# Altium PCB wifi-module.PcbDoc (part 1 of 2) (continued)
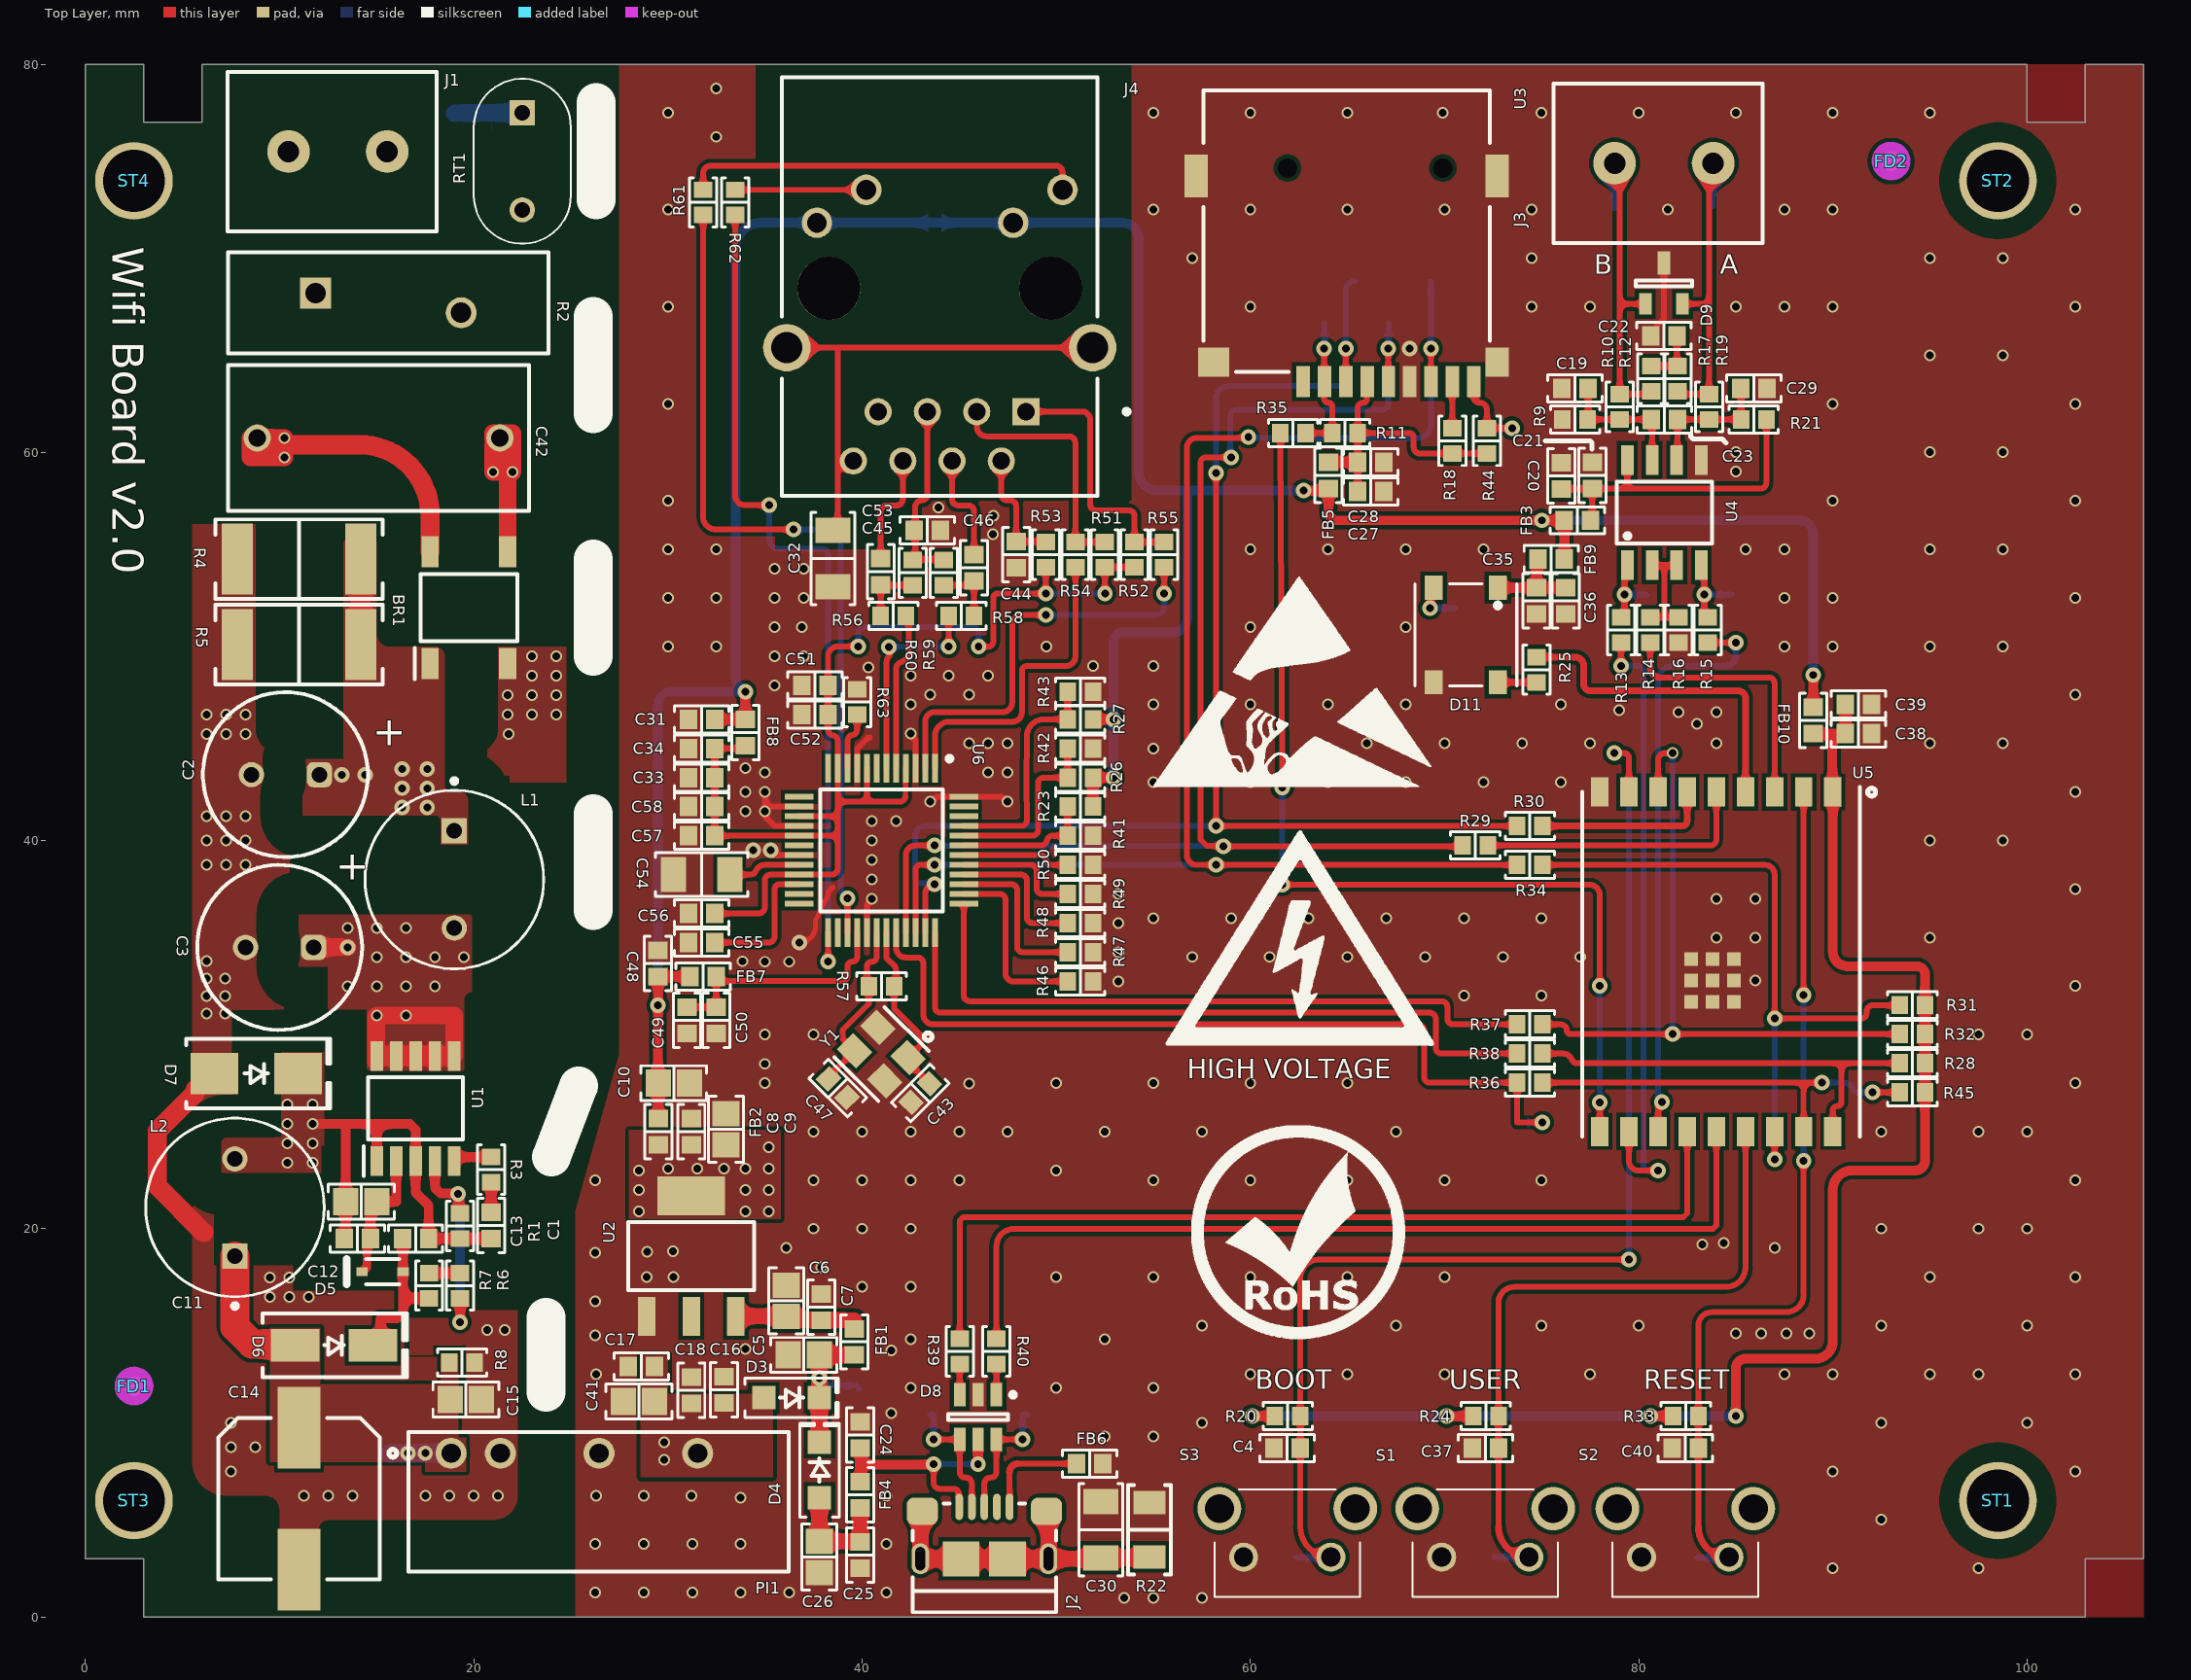
[diagram p0: Top Layer view]
## Part data (continued)
C42: library part CMP-001-03429-1, "WCAP-FTX2 Film Capacitor, THT, L15 x W7 x H12.5mm, 220nF, 275V", Capacitance Tolerance=+/-10%, Insulation Resistance=30GOhm, manufacturer="Wurth Elektronik", Operating Temperature Max=105°C, Operating Temperature Min=-40°C, Rate of Voltage Rise=240V/us, Rated Voltage (AC)=275V, Category="Film Capacitors", componentlink1description="Website Link", componentlink1url=https://www.we-online.com/redexpert/article/890324024002?ad, componentlink2description="Datasheet Link", componentlink2url=https://www.we-online.com/redexpert/spec/890324024002?ad, Dissipation Factor @1kHz=0.1%, Dissipation Factor @10kHz=0.2%, Dissipation Factor @100kHz=2%, Height=12.5mm, Length=15mm, Manufacturer Part Number=890324024002, Match Code=WCAP-FTX2, Mount="Through Hole", packaging=Carton, Pitch=12.5mm, Simulation File=Simulations\WCAP-FTX2.ckt, Simulation ModelName=890324024002_220nF, Technical Reference=MX2P125224K275ASPB15000, Width=7mm
C43 C47: library part CMP-214-005657-1, "CAP CER 0603 18PF 50V ULTRA STAB", Capacitance="18 pF", Device Package="0603 (1608 Metric)", manufacturer=KEMET, Operating Temperature="-55°C ~ 150°C", Ratings=AEC-Q200, Temperature Coefficient=X8R, Tolerance=±10%, Voltage - Rated=50V, Applications=Automotive, componentlink1description=Datasheet, componentlink1url=https://api.kemet.com/component-edge/download/datasheet/C0603C180K5HACAUTO.pdf, componentlink2description="DigiKey Link", componentlink2url=https://www.digikey.com/en/products/detail/kemet/C0603C180K5HACAUTO/7957267, Features="Low ESL, High Temperature", lastupdated="9/4/2023 7:08:19 PM", Lifecycle Status=Active, Minimum Order=1, Mounting Type="Surface Mount, MLCC", Package / Case="0603 (1608 Metric)", packaging=TapeAndReel, Part Number=C0603C180K5HACAUTO, Part Status=Active, partid=35316, price=0.01, series="SMD Auto X8R HT150C", Size / Dimension="0.063\" L x 0.031\" W (1.60mm x 0.80mm)", Thickness (Max)="0.034\" (0.87mm)"
C44: library part CMP-214-009207-1, "CAP CER 0.022UF 50V X7R 0603", Capacitance="0.022 µF", Device Package="0603 (1608 Metric)", manufacturer=KEMET, Operating Temperature="-55°C ~ 125°C", Ratings=AEC-Q200, Temperature Coefficient=X7R, Tolerance=±20%, Voltage - Rated=50V, Applications="Automotive, Bypass, Decoupling", componentlink1description=Datasheet, componentlink1url=https://connect.kemet.com:7667/gateway/IntelliData-ComponentDocumentation/1.0/download/datasheet/C0603C223M5RACAUTO, componentlink2description="DigiKey Link", componentlink2url=https://www.digikey.com/en/products/detail/kemet/C0603C223M5RACAUTO/11676307, lastupdated="9/4/2023 7:08:04 PM", Lifecycle Status=Active, Minimum Order=1, Mounting Type="Surface Mount, MLCC", Package / Case="0603 (1608 Metric)", packaging=TapeAndReel, Part Number=C0603C223M5RACAUTO, Part Status=Active, partid=48455, price=0.01, series="SMD Auto X7R", Size / Dimension="0.063\" L x 0.031\" W (1.60mm x 0.80mm)", Thickness (Max)="0.034\" (0.87mm)"
C45 C46: library part CMP-214-005416-1, "CAP CER 6800PF 50V X7R 0603", Capacitance="6800 pF", Device Package="0603 (1608 Metric)", manufacturer=KEMET, Operating Temperature="-55°C ~ 125°C", Temperature Coefficient=X7R, Tolerance=±10%, Voltage - Rated=50V, Applications="Bypass, Decoupling", componentlink1description=Datasheet, componentlink1url=https://api.kemet.com/component-edge/download/datasheet/C0603C682K5RAC7411.pdf, componentlink2description="DigiKey Link", componentlink2url=https://www.digikey.com/en/products/detail/kemet/C0603C682K5RAC7411/12701123, lastupdated="9/4/2023 7:08:18 PM", Lifecycle Status=Active, Minimum Order=1, Mounting Type="Surface Mount, MLCC", Package / Case="0603 (1608 Metric)", packaging=TapeAndReel, Part Number=C0603C682K5RAC7411, Part Status=Active, partid=35033, price=0.01, series="SMD Comm X7R", Size / Dimension="0.063\" L x 0.031\" W (1.60mm x 0.80mm)", Thickness (Max)="0.034\" (0.87mm)"
C54: library part CMP-216-004449-1, "CAP CER 4.7UF 50V X7R 1206", Capacitance="4.7 µF", Device Package="1206 (3216 Metric)", manufacturer="Samsung Electro-Mechanics", Operating Temperature="-55°C ~ 125°C", Temperature Coefficient=X7R, Tolerance=±10%, Voltage - Rated=50V, Applications="General Purpose", componentlink1description=Datasheet, componentlink1url=http://www.samsungsem.com/kr/support/product-search/mlcc/CL31B475KBHNNNE.jsp, componentlink2description="DigiKey Link", componentlink2url=https://www.digikey.com/en/products/detail/samsung-electro-mechanics/CL31B475KBHNNNE/3888447, lastupdated="9/4/2023 7:14:47 PM", Lifecycle Status=Active, Minimum Order=1, Mounting Type="Surface Mount, MLCC", Package / Case="1206 (3216 Metric)", packaging=TapeAndReel, Part Number=CL31B475KBHNNNE, Part Status=Active, partid=40975, price=0.05, series=CL, Size / Dimension="0.126\" L x 0.063\" W (3.20mm x 1.60mm)", Thickness (Max)="0.071\" (1.80mm)"
D3 D4: library part CMP-254-002514-1, "SCHOTTKY 40V SOD-123FL", Capacitance @ Vr, F="110pF @ 4V, 1MHz", Current - Average Rectified (Io)=1A, Current - Reverse Leakage @ Vr="100 µA @ 40 V", manufacturer="SMC Diode Solutions", Operating Temperature - Junction="-55°C ~ 150°C", Package / Case=SOD-123F, Supplier Device Package=SOD-123FL, Voltage - DC Reverse (Vr) (Max)="40 V", Voltage - Forward (Vf) (Max) @ If="500 mV @ 1 A", componentlink1description=Datasheet, componentlink1url=http://www.smc-diodes.com/propdf/DSS12U%20THRU%20DSS125U%20N1873%20REV.A.pdf, componentlink2description="DigiKey Link", componentlink2url=https://www.digikey.com/en/products/detail/smc-diode-solutions/DSS14UTR/8341859, Diode Type=Schottky, lastupdated="9/4/2023 8:16:26 PM", Lifecycle Status=Active, Minimum Order=1, Mounting Type="Surface Mount", packaging=TapeAndReel, Part Number=DSS14UTR, Part Status=Active, partid=2515, price=0.03, series=-, Speed="Fast Recovery =< 500ns, > 200mA (Io)"
D5: library part CMP-004-00002-2, "Fast Switching Diode, 75 V, 0.3 A, -65 to 150 degC, 2-Pin SOD323, RoHS, Tape and Reel", Case/Package=SOD, Forward Current=300mA, Forward Voltage=1.25V, manufacturer="Diodes Inc", Max Operating Temperature=150°C, Max Surge Current=2A, Min Operating Temperature=-65°C, Package Description="2-Pin Small Outline Diode, Body 1.7 x 1.3 mm", Package Quantity=3000, Package Reference=SOD323-2, Peak Reverse Current=1uA, Datasheet URL=http://www.diodes.com/datasheets/ds30097.pdf, Datasheet Version="Rev. 25-2, 03/2016", Elements=1, Manufacturer URL=http://www.diodes.com/, Mounting Technology=SM, packaging=TapeandReel, Pins=2, Recovery Time=4ns, RoHS Compliant=True
D6: library part CMP-254-000890-1, "DIODE GEN PURP 1KV 1A DO214AC", Capacitance @ Vr, F="8pF @ 4V, 1MHz", Current - Average Rectified (Io)=1A, Current - Reverse Leakage @ Vr="5 µA @ 1000 V", manufacturer="Micro Commercial Co", Operating Temperature - Junction="-55°C ~ 150°C", Package / Case="DO-214AC, SMA", Supplier Device Package="DO-214AC (SMA)", Voltage - DC Reverse (Vr) (Max)="1000 V", Voltage - Forward (Vf) (Max) @ If="1.5 V @ 1 A", componentlink1description=Datasheet, componentlink1url=https://www.mccsemi.com/pdf/Products/US1ML(DO-214AC)-A.pdf, componentlink2description="DigiKey Link", componentlink2url=https://www.digikey.com/en/products/detail/micro-commercial-co/US1ML-TP/7681879, Diode Type=Standard, lastupdated="9/4/2023 8:16:02 PM", Lifecycle Status=Active, Minimum Order=1, Mounting Type="Surface Mount", packaging=TapeAndReel, Part Number=US1ML-TP, Part Status=Active, partid=891, price=0.04, Reverse Recovery Time (trr)="120 ns", series=-, Speed="Fast Recovery =< 500ns, > 200mA (Io)"
D7: library part CMP-254-000169-1, "DIODE GEN PURP 600V 3A SMB", Capacitance @ Vr, F="40pF @ 4V, 1MHz", Current - Average Rectified (Io)=3A, Current - Reverse Leakage @ Vr="5µA @ 600V", manufacturer="Bourns Inc.", Operating Temperature - Junction="-65°C ~ 175°C", Package / Case="DO-214AA, SMB", Supplier Device Package="DO-214AA (SMB)", Voltage - DC Reverse (Vr) (Max)=600V, Voltage - Forward (Vf) (Max) @ If="1V @ 1A", componentlink1description=Datasheet, componentlink1url=https://www.bourns.com/docs/Product-Datasheets/CD214B-R350_R31000.pdf, componentlink2description="DigiKey Link", componentlink2url=http://digikey.com/product-detail/en/bourns-inc/CD214B-R3600/CD214B-R3600CT-ND/5774992, Diode Type=Standard, lastupdated="9/4/2023 8:15:30 PM", Lifecycle Status=Active, Minimum Order=1, Mounting Type="Surface Mount", packaging=TapeAndReel, Part Number=CD214B-R3600, Part Status=Active, partid=170, price=0.13, series=-, Speed="Standard Recovery >500ns, > 200mA (Io)"
D8: library part CMP-00104-4, "Trans Voltage Suppressor Diode, 5V V(RWM), Unidirectional, 1 Element, Silicon"
D9: library part CMP-557-000000-1, "26V, 12V Clamp 17A (8/20µs) Ipp Tvs Diode Surface Mount SOT-23-3", Manufacturer Name="SMC Diode Solutions", componentlink1description=Datasheet, componentlink1url=https://www.smc-diodes.com/propdf/SM712%20N2270%20REV.A.pdf, Design Item ID=SM712, Part Number=SM712, Source=controller_board.SchLib
D11: library part CMP-007-00083-1, "Addressable Lighting - LED Serial NRZ (Shift Register) Red, Green, Blue (RGB)"
FB1 FB2 FB3 FB4 FB5 FB6 FB7 FB8 FB9 FB10: library part CMP-264-000816-1, "FERRITE BEAD 100 OHM 0603 1LN", Current Rating (Max)=3A, DC Resistance (DCR) (Max)=30mOhm, Device Package="0603 (1608 Metric)", Impedance @ Frequency="100 Ohms @ 100 MHz", manufacturer="TDK Corporation", Operating Temperature="-55°C ~ 125°C", componentlink1description=Datasheet, componentlink1url=https://product.tdk.com/info/en/catalog/datasheets/beads_commercial_power_mpz1608_en.pdf?ref_disty=digikey, componentlink2description="DigiKey Link", componentlink2url=https://www.digikey.com/en/products/detail/tdk-corporation/MPZ1608S101ATAH0/571871, Filter Type="Power Line", Height (Max)="0.030\" (0.75mm)", lastupdated="9/4/2023 8:13:24 PM", Lifecycle Status=Active, Minimum Order=1, Mounting Type="Surface Mount", Number of Lines=1, Package / Case="0603 (1608 Metric)", packaging=TapeAndReel, Part Number=MPZ1608S101ATAH0, Part Status=Active, partid=841, price=0.02, series=MPZ, Size / Dimension="0.063\" L x 0.032\" W (1.60mm x 0.80mm)"
FD1 FD2: library part CMP-00028-00005-2, "Fiducial - Round 1x2mm", Pins=0
J1 J3: library part CMP-244-000014-2, "TERM BLK 2P SIDE ENT 5.08MM PCB", Color=Green, Current="13.5 A", manufacturer="TE Connectivity AMP Connectors", Voltage="300 V", componentlink1description=Datasheet, componentlink1url=https://www.te.com/commerce/DocumentDelivery/DDEController?Action=srchrtrv&DocNm=282837&DocType=Customer+Drawing&DocLang=English, componentlink2description="DigiKey Link", componentlink2url=https://www.digikey.com/en/products/detail/te-connectivity-amp-connectors/282837-2/2187973, Features="Interlocking (Side)", lastupdated="6/21/2022 3:00:23 PM", Lifecycle Status=Active, Mating Orientation="Horizontal with Board", Minimum Order=1, Mounting Type="Through Hole", Number of Levels=1, packaging=Tray, Part Number=282837-2, Part Status=Active, Pitch="0.200\" (5.08mm)", Positions Per Level=2, price=0.31, series=Buchanan, Wire Gauge="16-28 AWG", Wire Termination="Screw - Rising Cage Clamp"
J2: library part CMP-245-000003-1, "CONN RCPT USB2.0 MICRO B SMD R/A", Current Rating (Amps)="1.8A per Contact", manufacturer="Amphenol ICC (FCI)", Operating Temperature="-30°C ~ 80°C", Voltage - Rated=100VAC, componentlink1description=Datasheet, componentlink1url=https://cdn.amphenol-icc.com/media/wysiwyg/files/documentation/datasheet/inputoutput/io_usb_micro.pdf, Connector Type="USB - micro B", Features="Solder Retention", Gender=Receptacle, lastupdated="12/9/2019 8:51:28 PM", Lifecycle Status=0, Mating Cycles=10000, Minimum Order=1, Mounting Feature=Horizontal, Mounting Type="Surface Mount, Right Angle; Through Hole", Number of Contacts=5, Number of Ports=1, packaging=TapeAndReel, Part Number=10118193-0001LF, Part Status=Active, price=0.21, series=-, Shielding=Shielded, Specifications="USB 2.0", Termination=Solder
J4: library part CMP-240752-000001-1, "CONN JACK 1PORT 100 BASE-T PCB", Color=Green, Max Operating Temperature=85°C, Min Operating Temperature=-40°C, Connector Type=RJ45, Contact Material=Brass, Contact Plating=Gold, Direction=Down, Housing Material=Thermoplastic, Mount="Through Hole", Number of Cores per Jack=4, Number of Ports=1, Number of Rows=1, packaging=Bulk, series=-, Shielding=Shielded, Termination=Solder
L1 L2: library part CMP-07248-000082-1, "FIXED IND 1MH 420MA 2.1 OHM TH", Case/Package=Radial, Current Rating=300mA, DC Resistance (DCR)=2.1R, Inductance=1mH, Inductance Tolerance=10%, Max Operating Temperature=105°C, Min Operating Temperature=-40°C, Package Quantity=200, Resistor Type=Wirewound, Self Resonant Frequency=1.3MHz, Test Frequency=252kHz, Body Material=Ferrite, Core Material=Ferrite, DC Current=300mA, Diameter=8.7mm, Height=12mm, Height - Seated (Max)=0.512inch, Lead Diameter=0.65mm, Lead Pitch=5mm, Lead/Base Style=Radial, Length=12mm, Material=Steel, Max DC Current=300mA, Military Standard=Not, Mount="Through Hole", Number of Pins=2, Orientation=Vertical, packaging=Bulk, Q Factor=40, Radiation Hardening=No, REACH SVHC="No SVHC", Resistance=2.1R, RMS Current (Irms)=300mA, RoHS Compliant=Yes, series=RLB, Shielding=Unshielded, Termination=Radial, Tolerance=10%
PI1: library part B0505S-2WR3, "Isolated Power Modules", Manufacturer_Name=YLPTEC, Datasheet Link=https://www.lcsc.com/datasheet/lcsc_datasheet_2304271700_YLPTEC-B0505S-2WR3_C5369473.pdf, Height=1.6mm, Manufacturer_Part_Number=B0505S-2WR3
R1 R6: library part CMP-327-006874-1, "RES 22K OHM 1% 1/10W 0603", Device Package="0603 (1608 Metric)", manufacturer=Yageo, Operating Temperature="-55°C ~ 155°C", Power (Watts)="0.1W, 1/10W", Resistance="22 kOhms", Supplier Device Package=0603, Temperature Coefficient=±100ppm/°C, Tolerance=±1%, componentlink1description=Datasheet, componentlink1url=https://www.yageo.com/upload/media/product/productsearch/datasheet/rchip/PYu-RC_Group_51_RoHS_L_10.pdf, componentlink2description="DigiKey Link", componentlink2url=https://www.digikey.com/en/products/detail/yageo/RC0603FR-0722KL/727056, Composition="Thick Film", Features="Moisture Resistant", Height - Seated (Max)="0.022\" (0.55mm)", lastupdated="9/4/2023 7:33:21 PM", Lifecycle Status=Active, Minimum Order=1, Number of Terminations=2, Package / Case="0603 (1608 Metric)", packaging=CutTape, Part Number=RC0603FR-0722KL, Part Status=Active, partid=18937, price=0.01, series=RC_L, Size / Dimension="0.063\" L x 0.031\" W (1.60mm x 0.80mm)"
R2: library part CMP-07402-000008-1, "VARISTOR 430V 4.5KA DISC 14MM", Capacitance=552pF, Clamping Current=50A, Clamping Voltage=710V, manufacturer="Bourns Inc.", Package=0, Temperature="-40°C to +105°C", Temperature Range High=+105°C, Temperature Range Low=-40°C, Varistor Voltage=387V, Voltage Rating Ac=275V, Voltage Rating Dc=350V, Voltage Tolerance=10%, Automotive=No, Category=Res, componentlink2description=Datasheet, componentlink2url=https://www.bourns.com/data/global/pdfs/MOV14D.pdf, Device Class L1="Circuit Protection", Device Class L2=Varistors, Device Class L3=unset, Digikey Description="VARISTOR 430V 4.5KA DISC 14MM", Height=20mm, Lead Free=Yes, Manufacturer Part Number=MOV-14D431K, Mouser Description="Varistors 430volts 14mm", Octopart=https://octopart.com/mov-14d431k-bourns-21388914, RoHS=TRUE
R3: library part CMP-327-006911-1, "RES 2.7K OHM 1% 1/10W 0603", Device Package="0603 (1608 Metric)", manufacturer=Yageo, Operating Temperature="-55°C ~ 155°C", Power (Watts)="0.1W, 1/10W", Resistance="2.7 kOhms", Supplier Device Package=0603, Temperature Coefficient=±100ppm/°C, Tolerance=±1%, componentlink1description=Datasheet, componentlink1url=https://www.yageo.com/upload/media/product/productsearch/datasheet/rchip/PYu-RC_Group_51_RoHS_L_10.pdf, componentlink2description="DigiKey Link", componentlink2url=https://www.digikey.com/en/products/detail/yageo/RC0603FR-072K7L/727032, Composition="Thick Film", Features="Moisture Resistant", Height - Seated (Max)="0.022\" (0.55mm)", lastupdated="9/4/2023 7:33:21 PM", Lifecycle Status=Active, Minimum Order=1, Number of Terminations=2, Package / Case="0603 (1608 Metric)", packaging=CutTape, Part Number=RC0603FR-072K7L, Part Status=Active, partid=19013, price=0.01, series=RC_L, Size / Dimension="0.063\" L x 0.031\" W (1.60mm x 0.80mm)"
R4 R5: library part CMP-331-002954-1, "RES 1M OHM 5% 1W 2512", Device Package="2512 (6432 Metric)", manufacturer="Stackpole Electronics Inc", Operating Temperature="-55°C ~ 155°C", Power (Watts)=1W, Ratings=AEC-Q200, Resistance="1 MOhms", Supplier Device Package=2512, Temperature Coefficient=±200ppm/°C, Tolerance=±5%, componentlink1description=Datasheet, componentlink1url=https://www.seielect.com/catalog/sei-rmcf_rmcp.pdf, componentlink2description="DigiKey Link", componentlink2url=http://digikey.com/product-detail/en/stackpole-electronics-inc/RMCF2512JT1M00/RMCF2512JT1M00CT-ND/7907175, Composition="Thick Film", Features="Automotive AEC-Q200", Height - Seated (Max)="0.028\" (0.70mm)", lastupdated="9/2/2020 1:27:04 AM", Lifecycle Status=Active, Minimum Order=1, Number of Terminations=2, Package / Case="2512 (6432 Metric)", packaging=TapeAndReel, Part Number=RMCF2512JT1M00, Part Status=Active, price=0.03, series=RMCF, Size / Dimension="0.248\" L x 0.126\" W (6.30mm x 3.20mm)"
R7: library part CMP-327-006920-1, "RES 56K OHM 1% 1/10W 0603", Device Package="0603 (1608 Metric)", manufacturer=Yageo, Operating Temperature="-55°C ~ 155°C", Power (Watts)="0.1W, 1/10W", Resistance="56 kOhms", Supplier Device Package=0603, Temperature Coefficient=±100ppm/°C, Tolerance=±1%, componentlink1description=Datasheet, componentlink1url=https://www.yageo.com/upload/media/product/productsearch/datasheet/rchip/PYu-RC_Group_51_RoHS_L_10.pdf, componentlink2description="DigiKey Link", componentlink2url=https://www.digikey.com/en/products/detail/yageo/RC0603FR-0756KL/2827626, Composition="Thick Film", Features="Moisture Resistant", Height - Seated (Max)="0.022\" (0.55mm)", lastupdated="9/4/2023 7:33:20 PM", Lifecycle Status=Active, Minimum Order=1, Number of Terminations=2, Package / Case="0603 (1608 Metric)", packaging=CutTape, Part Number=RC0603FR-0756KL, Part Status=Active, partid=19031, price=0.01, series=RC_L, Size / Dimension="0.063\" L x 0.031\" W (1.60mm x 0.80mm)"
R8: library part CMP-327-006898-1, "RES 5.6K OHM 1% 1/10W 0603", Device Package="0603 (1608 Metric)", manufacturer=Yageo, Operating Temperature="-55°C ~ 155°C", Power (Watts)="0.1W, 1/10W", Resistance="5.6 kOhms", Supplier Device Package=0603, Temperature Coefficient=±100ppm/°C, Tolerance=±1%, componentlink1description=Datasheet, componentlink1url=https://www.yageo.com/upload/media/product/productsearch/datasheet/rchip/PYu-RC_Group_51_RoHS_L_10.pdf, componentlink2description="DigiKey Link", componentlink2url=https://www.digikey.com/en/products/detail/yageo/RC0603FR-075K6L/727275, Composition="Thick Film", Features="Moisture Resistant", Height - Seated (Max)="0.022\" (0.55mm)", lastupdated="9/4/2023 7:33:21 PM", Lifecycle Status=Active, Minimum Order=1, Number of Terminations=2, Package / Case="0603 (1608 Metric)", packaging=CutTape, Part Number=RC0603FR-075K6L, Part Status=Active, partid=18987, price=0.01, series=RC_L, Size / Dimension="0.063\" L x 0.031\" W (1.60mm x 0.80mm)"
R9 R21: library part CMP-327-010151-1, "RES 2.2K OHM 1% 1/10W 0603", Device Package="0603 (1608 Metric)", manufacturer=Yageo, Operating Temperature="-55°C ~ 155°C", Power (Watts)="0.1W, 1/10W", Resistance="2.2 kOhms", Supplier Device Package=0603, Temperature Coefficient=±100ppm/°C, Tolerance=±1%, componentlink1description=Datasheet, componentlink1url=https://www.yageo.com/upload/media/product/productsearch/datasheet/rchip/PYu-RC_Group_51_RoHS_L_10.pdf, componentlink2description="DigiKey Link", componentlink2url=https://www.digikey.com/en/products/detail/yageo/RC0603FR-072K2L/727016, Composition="Thick Film", Features="Moisture Resistant", Height - Seated (Max)="0.022\" (0.55mm)", lastupdated="9/4/2023 7:32:58 PM", Lifecycle Status=Active, Minimum Order=1, Number of Terminations=2, Package / Case="0603 (1608 Metric)", packaging=CutTape, Part Number=RC0603FR-072K2L, Part Status=Active, partid=23950, price=0.01, series=RC_L, Size / Dimension="0.063\" L x 0.031\" W (1.60mm x 0.80mm)"
R10 R13 R14 R15 R19 R29 R30 R34 R35 R36 R37 R38 R39 R40 R54 R55 R56 R58: library part CMP-327-006887-1, "RES 22 OHM 1% 1/10W 0603", Device Package="0603 (1608 Metric)", manufacturer=Yageo, Operating Temperature="-55°C ~ 155°C", Power (Watts)="0.1W, 1/10W", Resistance="22 Ohms", Supplier Device Package=0603, Temperature Coefficient=±100ppm/°C, Tolerance=±1%, componentlink1description=Datasheet, componentlink1url=https://www.yageo.com/upload/media/product/productsearch/datasheet/rchip/PYu-RC_Group_51_RoHS_L_10.pdf, componentlink2description="DigiKey Link", componentlink2url=https://www.digikey.com/en/products/detail/yageo/RC0603FR-0722RL/727055, Composition="Thick Film", Features="Moisture Resistant", Height - Seated (Max)="0.022\" (0.55mm)", lastupdated="9/4/2023 7:33:21 PM", Lifecycle Status=Active, Minimum Order=1, Number of Terminations=2, Package / Case="0603 (1608 Metric)", packaging=CutTape, Part Number=RC0603FR-0722RL, Part Status=Active, partid=18963, price=0.01, series=RC_L, Size / Dimension="0.063\" L x 0.031\" W (1.60mm x 0.80mm)"
R11 R16 R18 R20 R23 R24 R26 R27 R28 R31 R32 R33 R41 R42 R43 R44 R45 R46 R47 R48 R49 R50: library part CMP-327-008800-1, "RES 10K OHM 1% 1/10W 0603", Device Package="0603 (1608 Metric)", manufacturer=Yageo, Operating Temperature="-55°C ~ 155°C", Power (Watts)="0.1W, 1/10W", Resistance="10 kOhms", Supplier Device Package=0603, Temperature Coefficient=±100ppm/°C, Tolerance=±1%, componentlink1description=Datasheet, componentlink1url=https://www.yageo.com/upload/media/product/productsearch/datasheet/rchip/PYu-RC_Group_51_RoHS_L_10.pdf, componentlink2description="DigiKey Link", componentlink2url=https://www.digikey.com/en/products/detail/yageo/RC0603FR-0710KL/726880, Composition="Thick Film", Features="Moisture Resistant", Height - Seated (Max)="0.022\" (0.55mm)", lastupdated="9/4/2023 7:33:07 PM", Lifecycle Status=Active, Minimum Order=1, Number of Terminations=2, Package / Case="0603 (1608 Metric)", packaging=CutTape, Part Number=RC0603FR-0710KL, Part Status=Active, partid=22599, price=0.01, series=RC_L, Size / Dimension="0.063\" L x 0.031\" W (1.60mm x 0.80mm)"
R12 R17: library part CMP-327-006952-1, "RES 60.4 OHM 1% 1/10W 0603", Device Package="0603 (1608 Metric)", manufacturer=Yageo, Operating Temperature="-55°C ~ 155°C", Power (Watts)="0.1W, 1/10W", Resistance="60.4 Ohms", Supplier Device Package=0603, Temperature Coefficient=±100ppm/°C, Tolerance=±1%, componentlink1description=Datasheet, componentlink1url=https://www.yageo.com/upload/media/product/productsearch/datasheet/rchip/PYu-RC_Group_51_RoHS_L_10.pdf, componentlink2description="DigiKey Link", componentlink2url=https://www.digikey.com/en/products/detail/yageo/RC0603FR-0760R4L/727327, Composition="Thick Film", Features="Moisture Resistant", Height - Seated (Max)="0.022\" (0.55mm)", lastupdated="9/4/2023 7:33:20 PM", Lifecycle Status=Active, Minimum Order=1, Number of Terminations=2, Package / Case="0603 (1608 Metric)", packaging=CutTape, Part Number=RC0603FR-0760R4L, Part Status=Active, partid=19096, price=0.01, series=RC_L, Size / Dimension="0.063\" L x 0.031\" W (1.60mm x 0.80mm)"
R22: library part CMP-329-006611-1, "RES 1M OHM 1% 1/4W 1206", Device Package="1206 (3216 Metric)", manufacturer=Yageo, Operating Temperature="-55°C ~ 155°C", Power (Watts)="0.25W, 1/4W", Resistance="1 MOhms", Supplier Device Package=1206, Temperature Coefficient=±100ppm/°C, Tolerance=±1%, componentlink1description=Datasheet, componentlink1url=https://www.yageo.com/upload/media/product/productsearch/datasheet/rchip/PYu-RC_Group_51_RoHS_L_10.pdf, componentlink2description="DigiKey Link", componentlink2url=https://www.digikey.com/en/products/detail/yageo/RC1206FR-071ML/728388, Composition="Thick Film", Features="Moisture Resistant", Height - Seated (Max)="0.026\" (0.65mm)", lastupdated="9/4/2023 7:43:30 PM", Lifecycle Status=Active, Minimum Order=1, Number of Terminations=2, Package / Case="1206 (3216 Metric)", packaging=TapeAndReel, Part Number=RC1206FR-071ML, Part Status=Active, partid=39213, price=0.01, series=RC_L, Size / Dimension="0.122\" L x 0.063\" W (3.10mm x 1.60mm)"
R25 R61 R62: library part CMP-327-008801-1, "RES 1K OHM 1% 1/10W 0603", Device Package="0603 (1608 Metric)", manufacturer=Yageo, Operating Temperature="-55°C ~ 155°C", Power (Watts)="0.1W, 1/10W", Resistance="1 kOhms", Supplier Device Package=0603, Temperature Coefficient=±100ppm/°C, Tolerance=±1%, componentlink1description=Datasheet, componentlink1url=https://www.yageo.com/upload/media/product/productsearch/datasheet/rchip/PYu-RC_Group_51_RoHS_L_10.pdf, componentlink2description="DigiKey Link", componentlink2url=https://www.digikey.com/en/products/detail/yageo/RC0603FR-071KL/726843, Composition="Thick Film", Features="Moisture Resistant", Height - Seated (Max)="0.022\" (0.55mm)", lastupdated="9/4/2023 7:33:07 PM", Lifecycle Status=Active, Minimum Order=1, Number of Terminations=2, Package / Case="0603 (1608 Metric)", packaging=CutTape, Part Number=RC0603FR-071KL, Part Status=Active, partid=22600, price=0.01, series=RC_L, Size / Dimension="0.063\" L x 0.031\" W (1.60mm x 0.80mm)"
R51 R52 R59 R60: library part CMP-327-010152-1, "RES 49.9 OHM 1% 1/10W 0603", Device Package="0603 (1608 Metric)", manufacturer=Yageo, Operating Temperature="-55°C ~ 155°C", Power (Watts)="0.1W, 1/10W", Resistance="49.9 Ohms", Supplier Device Package=0603, Temperature Coefficient=±100ppm/°C, Tolerance=±1%, componentlink1description=Datasheet, componentlink1url=https://www.yageo.com/upload/media/product/productsearch/datasheet/rchip/PYu-RC_Group_51_RoHS_L_10.pdf, componentlink2description="DigiKey Link", componentlink2url=https://www.digikey.com/en/products/detail/yageo/RC0603FR-0749R9L/727264, Composition="Thick Film", Features="Moisture Resistant", Height - Seated (Max)="0.022\" (0.55mm)", lastupdated="9/4/2023 7:32:58 PM", Lifecycle Status=Active, Minimum Order=1, Number of Terminations=2, Package / Case="0603 (1608 Metric)", packaging=CutTape, Part Number=RC0603FR-0749R9L, Part Status=Active, partid=23951, price=0.01, series=RC_L, Size / Dimension="0.063\" L x 0.031\" W (1.60mm x 0.80mm)"
R53: library part CMP-327-008808-1, "RES 10 OHM 1% 1/10W 0603", Device Package="0603 (1608 Metric)", manufacturer=Yageo, Operating Temperature="-55°C ~ 155°C", Power (Watts)="0.1W, 1/10W", Resistance="10 Ohms", Supplier Device Package=0603, Temperature Coefficient=±200ppm/°C, Tolerance=±1%, componentlink1description=Datasheet, componentlink1url=https://www.yageo.com/upload/media/product/productsearch/datasheet/rchip/PYu-RC_Group_51_RoHS_L_10.pdf, componentlink2description="DigiKey Link", componentlink2url=https://www.digikey.com/en/products/detail/yageo/RC0603FR-0710RL/726879, Composition="Thick Film", Features="Moisture Resistant", Height - Seated (Max)="0.022\" (0.55mm)", lastupdated="9/4/2023 7:33:07 PM", Lifecycle Status=Active, Minimum Order=1, Number of Terminations=2, Package / Case="0603 (1608 Metric)", packaging=TapeAndReel, Part Number=RC0603FR-0710RL, Part Status=Active, partid=22607, price=0.01, series=RC_L, Size / Dimension="0.063\" L x 0.031\" W (1.60mm x 0.80mm)"
R57: library part CMP-327-008803-1, "RES 1M OHM 1% 1/10W 0603", Device Package="0603 (1608 Metric)", manufacturer=Yageo, Operating Temperature="-55°C ~ 155°C", Power (Watts)="0.1W, 1/10W", Resistance="1 MOhms", Supplier Device Package=0603, Temperature Coefficient=±100ppm/°C, Tolerance=±1%, componentlink1description=Datasheet, componentlink1url=https://www.yageo.com/upload/media/product/productsearch/datasheet/rchip/PYu-RC_Group_51_RoHS_L_10.pdf, componentlink2description="DigiKey Link", componentlink2url=https://www.digikey.com/en/products/detail/yageo/RC0603FR-071ML/726844, Composition="Thick Film", Features="Moisture Resistant", Height - Seated (Max)="0.022\" (0.55mm)", lastupdated="9/4/2023 7:33:07 PM", Lifecycle Status=Active, Minimum Order=1, Number of Terminations=2, Package / Case="0603 (1608 Metric)", packaging=CutTape, Part Number=RC0603FR-071ML, Part Status=Active, partid=22602, price=0.01, series=RC_L, Size / Dimension="0.063\" L x 0.031\" W (1.60mm x 0.80mm)"
R63: library part CMP-327-006957-1, "RES 12.4K OHM 1% 1/10W 0603", Device Package="0603 (1608 Metric)", manufacturer=Yageo, Operating Temperature="-55°C ~ 155°C", Power (Watts)="0.1W, 1/10W", Resistance="12.4 kOhms", Supplier Device Package=0603, Temperature Coefficient=±100ppm/°C, Tolerance=±1%, componentlink1description=Datasheet, componentlink1url=https://www.yageo.com/upload/media/product/productsearch/datasheet/rchip/PYu-RC_Group_51_RoHS_L_10.pdf, componentlink2description="DigiKey Link", componentlink2url=https://www.digikey.com/en/products/detail/yageo/RC0603FR-0712K4L/726917, Composition="Thick Film", Features="Moisture Resistant", Height - Seated (Max)="0.022\" (0.55mm)", lastupdated="9/4/2023 7:33:20 PM", Lifecycle Status=Active, Minimum Order=1, Number of Terminations=2, Package / Case="0603 (1608 Metric)", packaging=CutTape, Part Number=RC0603FR-0712K4L, Part Status=Active, partid=19106, price=0.01, series=RC_L, Size / Dimension="0.063\" L x 0.031\" W (1.60mm x 0.80mm)"
RT1: library part CMP-00103-1, "Inrush Current Limiter 10 Ohms ±20% 2 A 0.335\" (8.50mm)"
S1 S2 S3: library part CMP-552-000008-2, "Switch", Manufacturer_Name="KLS Electronic", Datasheet Link=http://www.cnkls.com/admin/product_upload/20120515130927KLS7-TS6606.pdf, Design Item ID=KLS7-TS6606-8.0-180, Height=8mm, Manufacturer_Part_Number=KLS7-TS6606-8.0-180, Source=SamacSys.SchLib
ST1 ST2 ST3 ST4: library part CMP-00028-00004-2, "M2 PTH (2.5mm), 5mm pad", Pins=1
TP1 TP2 TP3 TP4 TP5 TP6 TP7 TP8 TP9 TP10 TP11 TP12 TP13 TP14 TP15 TP16 TP17 TP18 TP19 TP20 TP21 TP22 TP23 TP24 TP25 TP26 TP27 TP28 TP29: library part CMP-00008-1, "1.2mm round"
U1: library part CMP-019-00054-1, "Converter Offline Buck, Buck-Boost, Flyback Topology 60kHz 10-SSOP", RoHS Compliant=Yes
U2: library part CMP-558-000003-1, "Linear Voltage Regulator IC Positive Fixed 1 Output 3V3 1A SOT-223-3", Manufacturer Name="Diodes Incorporated", componentlink1description=Datasheet, componentlink1url=https://www.diodes.com/assets/Datasheets/AZ1117I.pdf, Design Item ID=AZ1117IH-3.3TRG1, Part Number=AZ1117IH-3.3TRG1, Source=controller_board.SchLib
U3: library part CMP-559-000009-1, "-25℃~+90℃ 2mm Nickel Deck MicroSD card (TF card) 260℃ Copper Alloy Self bomb SMD SD Card Connectors ROHS", Manufacturer Name="XKB Connectivity", componentlink1description=Datasheet, componentlink1url=https://datasheet.lcsc.com/lcsc/2110151630_XKB-Connectivity-XKTF-N02-N_C381084.pdf, Design Item ID=XKTF-N02-N, Part Number=XKTF-N02-N, Source=controller_board.SchLib
U4: library part CMP-00105-1, "Line Transceiver, 1 Func, 1 Driver, 1 Rcvr, BICMOS, PDSO8"
U5: library part CMP-007-000028-2, "Bluetooth, WiFi 802.11b/g/n, Bluetooth v5.0 Transceiver Module 2.4GHz Antenna Not Included, U.FL Surface Mount", Manufacturer_Name="Espressif Systems", Mouser Part Number=356-ESP32C3WROM02UN4, Datasheet Link=https://www.espressif.com/sites/default/files/documentation/esp32-c3-wroom-02_datasheet_en.pdf, Design Item ID=ESP32-C3-WROOM-02U-N4, Height=3.35mm, Manufacturer_Part_Number=ESP32-C3-WROOM-02U-N4, Mouser Price/Stock=https://www.mouser.co.uk/ProductDetail/Espressif-Systems/ESP32-C3-WROOM-02U-N4?qs=pBJMDPsKWf2Ces2aXBSNjQ%3D%3D, Source=SamacSys.SchLib
U6: library part CMP-559-000005-1, "W5500 WIZnet Ethernet Controller 10/100 Base-T/TXPHY SPI Interface 3.3V 132mA 48-LQFP RoHS", manufacturer=WIZnet, Nominal Supply Current=132mA, Category="Integrated Circuits (ICs)", componentlink1description=https://datasheet.ciiva.com/24199/w5500-24199988.pdf?src-supplier=Future+Electronics, componentlink1url=https://datasheet.ciiva.com/24199/w5500-24199988.pdf?src-supplier=Future+Electronics, componentlink2description=https://datasheet.ciiva.com/29644/w5500-ds-v100e-29644866.pdf?src-supplier=Digi-Key, componentlink2url=https://datasheet.ciiva.com/29644/w5500-ds-v100e-29644866.pdf?src-supplier=Digi-Key, Data Rate=100Mbps, Design Item ID=W5500, Height=1.6mm, Manufacturer Part Number=W5500, Number of Channels=8NUMBER, Pricing="1=3.699 (USD)", RoHS=Yes, Source=controller_board.SchLib, Stock=255
Y1: library part CMP-2000-05733-3, "Crystal 25MHz ±20ppm (Tol) ±30ppm (Stability) 18pF FUND 60Ω 4-Pin SMD T/R", Case/Package=CSMD, ESR (Equivalent Series Resistance)=60R, Frequency=25MHz, Frequency Stability=30ppm, Frequency Tolerance=20ppm, Load Capacitance=18pF, Max Operating Temperature=85°C, Min Operating Temperature=-40°C, Operating Frequency="25 MHz", Package Quantity=1000, Depth=2.5mm, Height=0.039inch, Lead Free="Lead Free", Length=3.2mm, Mount="Surface Mount", Number of Pins=4, packaging="Tape and Reel", Radiation Hardening=No, series=ABM8G, Series Resistance=60R, Termination=SMD/SMT, Tolerance=20ppm, Width=0.098inch

## Via types
v1: diameter 0.6, hole 0.4, Top Layer to Bottom Layer, tented both sides, 356 vias
v2: diameter 0.8, hole 0.4, Top Layer to Bottom Layer, tented both sides, 80 vias
v3: diameter 0.6, hole 0.4, Top Layer to Bottom Layer, 24 vias